# Altium PCB SONDE_2.PcbDoc (part 6 of 10) (continued)
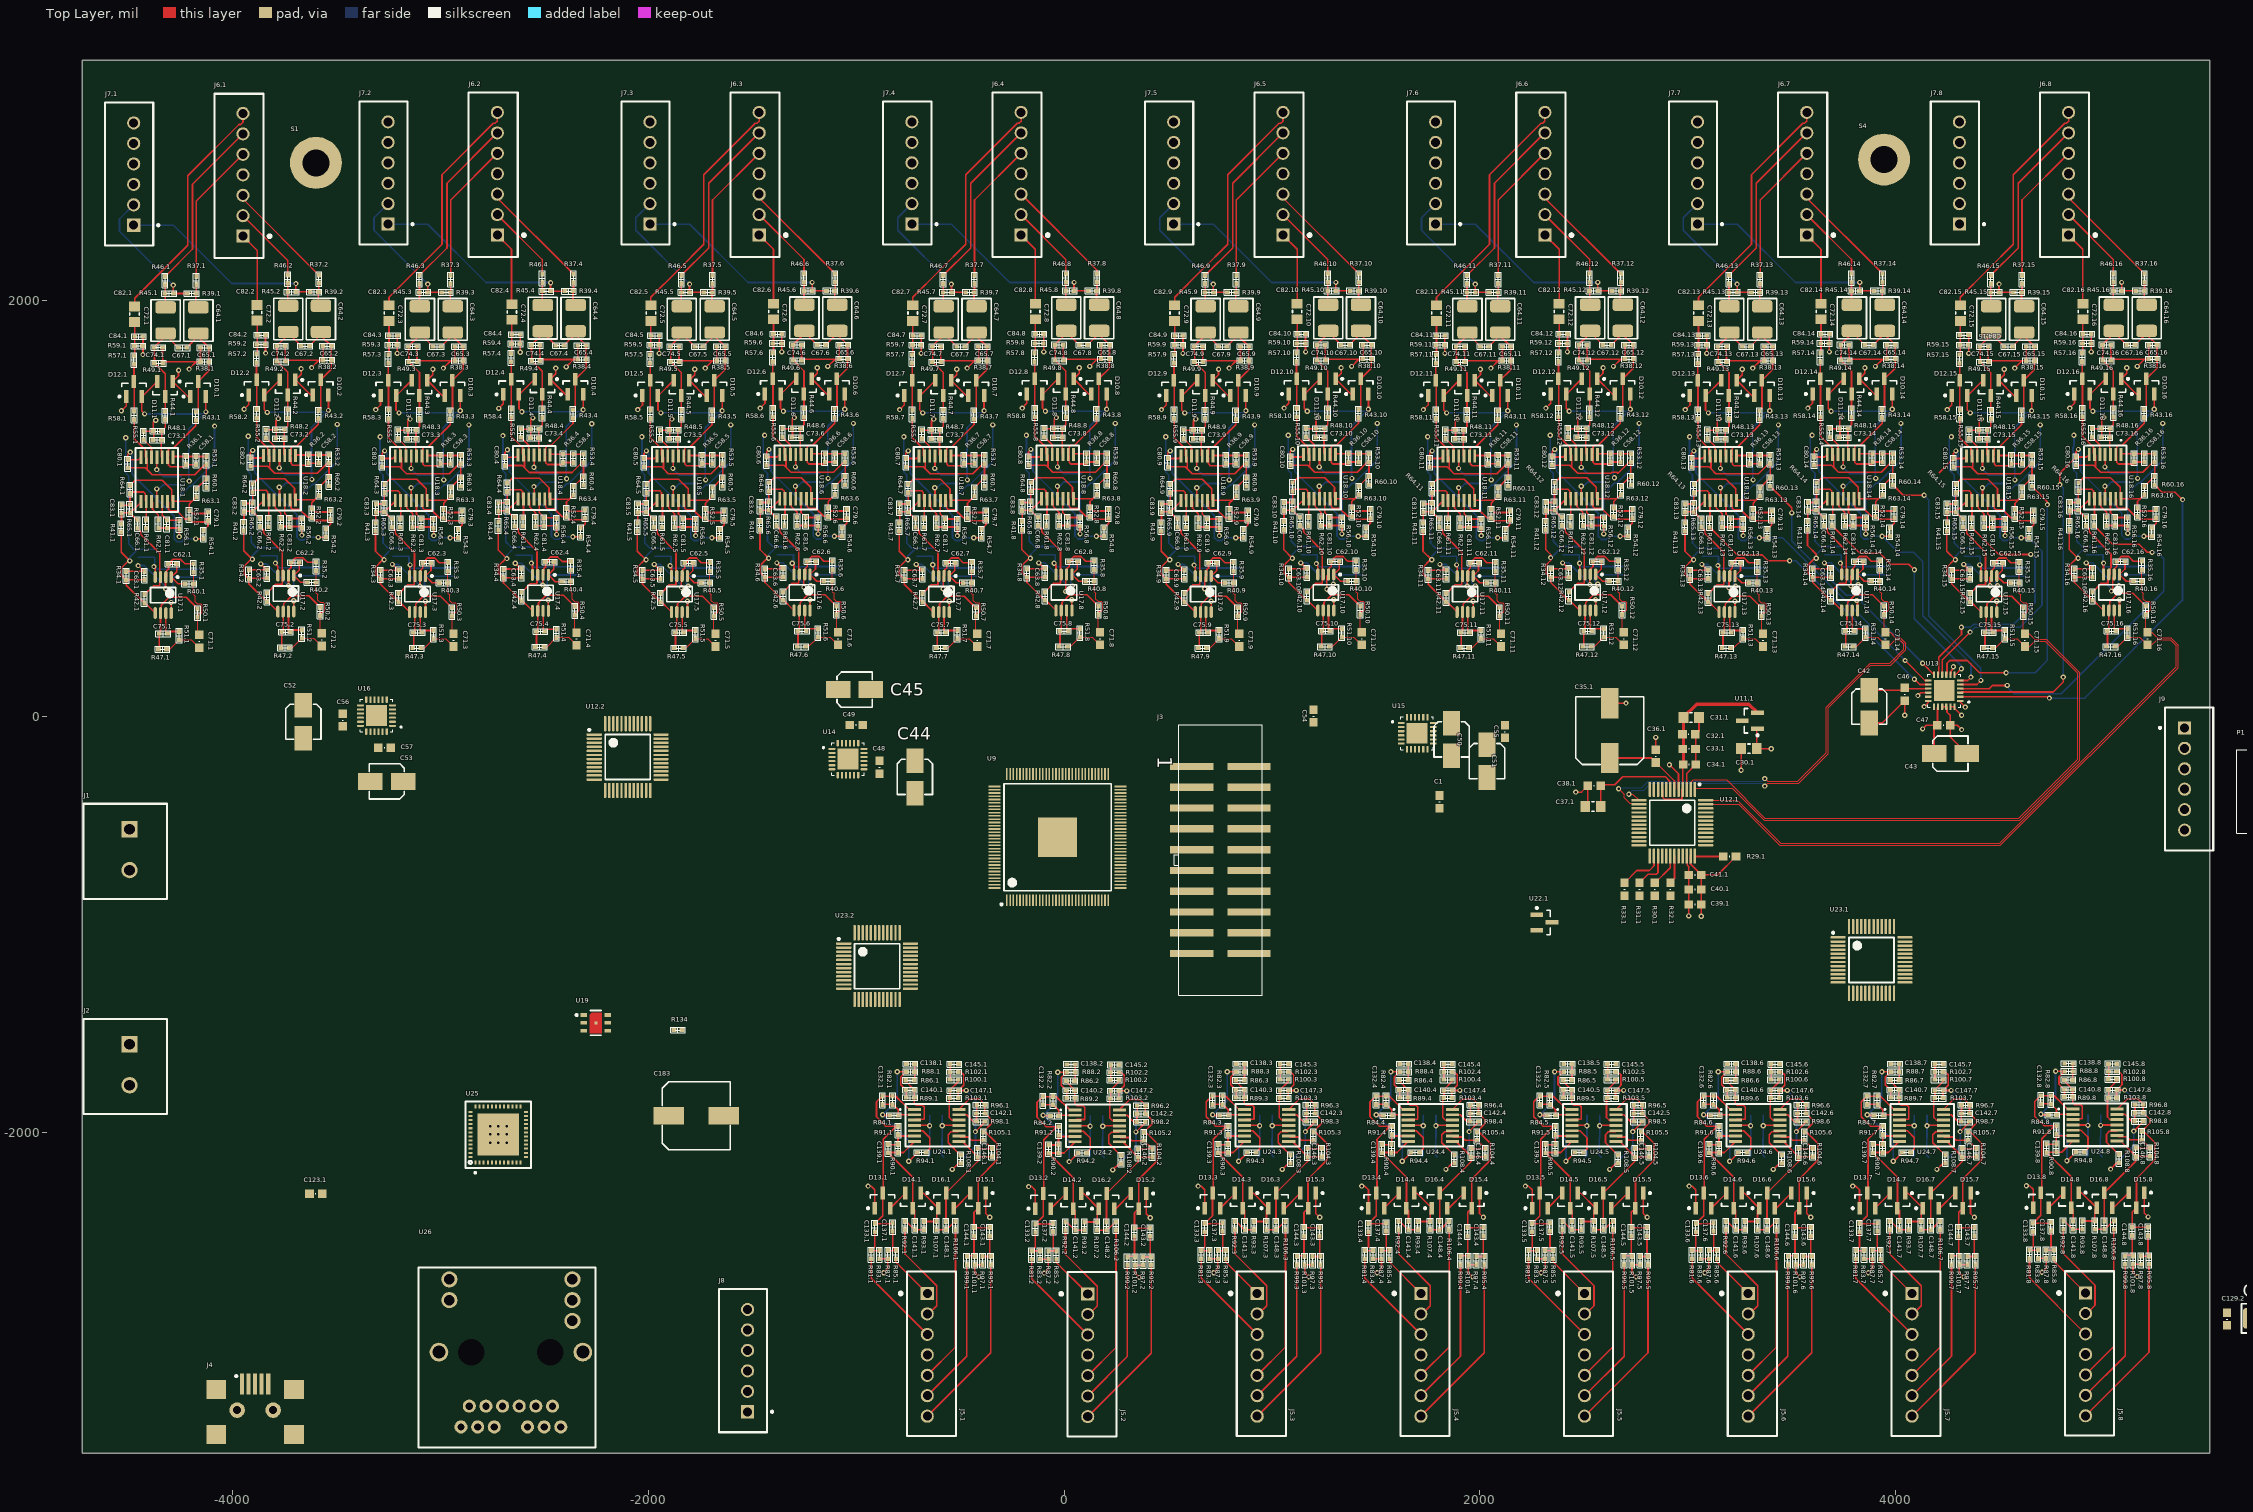
[diagram p0: Top Layer view]
## Nets (pads, with @x,y where several pads share a name; then routed paths per layer and width w, separated by ;. In a path a pad name is that pad's centre, name@x,y a point inside that pad or via, vN(x,y) a via of type N, cw(c..) or ccw(c..) an arc to the next point about the centre after c; other vN are vias at no path point) (continued)
  Bottom Layer w8: C76.1.2@-4453.02,766.23 C78.1.2@-4375,766.23 -4375,719.91 v1@-4377.09,722 ; v1(-4379,722) v1@-4377.09,722 ; v1(-4365.55,1095.72) -4354.87,1095.72 C61.1.2@-4334.55,1116.03 C60.1.2@-4290.55,1116.03 C59.1.2@-4247.55,1116.03 ; C70.1.2@-4301,708.66 -4363.75,708.66 v1@-4377.09,722 ; C70.1.2@-4300.06,709.6 C68.1.2@-4229,709.6 C69.1.2@-4154,709.6 ; C76.2.2@-3863.35,773.7 C78.2.2@-3785.33,773.7 -3785.33,727.39 v1@-3794,736.06 ; v1(-3794,739) v1@-3794,736.06 ; v1(-3775.88,1103.2) -3765.2,1103.2 C61.2.2@-3744.88,1123.51 C60.2.2@-3700.88,1123.51 C59.2.2@-3657.88,1123.51 ; C70.2.2@-3711.33,716.14 -3774.08,716.14 v1@-3794,736.06 ; C70.2.2@-3710.39,717.07 C68.2.2@-3639.33,717.07 C69.2.2@-3564.33,717.07 ; C76.3.2@-3229.44,771.36 C78.3.2@-3151.42,771.36 -3151.42,725.05 -3146.86,729.61 v1(-3146.86,730) -3146.86,720.49 -3140.17,713.8 C70.3.2@-3077.42,713.8 ; v1(-3141.97,1100.86) -3131.29,1100.86 C61.3.2@-3110.97,1121.17 C60.3.2@-3066.97,1121.17 C59.3.2@-3023.97,1121.17 ; C70.3.2@-3076.48,714.73 C68.3.2@-3005.42,714.73 C69.3.2@-2930.42,714.73 ; C76.4.2@-2638.41,776.95 C78.4.2@-2560.39,776.95 -2560.39,730.64 v1@-2563,733.25 ; v1(-2563,738.86) v1@-2563,733.25 ; v1(-2550.94,1106.45) -2540.26,1106.45 C61.4.2@-2519.94,1126.76 C60.4.2@-2475.94,1126.76 C59.4.2@-2432.94,1126.76 ; C70.4.2@-2486.39,719.39 -2549.13,719.39 v1@-2563,733.25 ; C70.4.2@-2485.45,720.33 C68.4.2@-2414.39,720.33 C69.4.2@-2339.39,720.33 ; C76.5.2@-1969.6,771.36 C78.5.2@-1891.58,771.36 -1891.58,725.05 v1@-1892.15,725.62 ; v1(-1896,725.62) v1@-1892.15,725.62 ; v1(-1882.13,1100.86) -1871.44,1100.86 C61.5.2@-1851.13,1121.17 C60.5.2@-1807.13,1121.17 C59.5.2@-1764.13,1121.17 ; C70.5.2@-1817.58,713.8 -1880.32,713.8 v1@-1892.15,725.62 ; C70.5.2@-1816.64,714.73 C68.5.2@-1745.58,714.73 C69.5.2@-1670.58,714.73 ; C76.6.2@-1379.93,778.84 C78.6.2@-1301.9,778.84 -1301.9,732.53 v1@-1307.18,737.8 ; v1(-1308,737.8) v1@-1307.18,737.8 ; v1(-1292.46,1108.33) -1281.77,1108.33 C61.6.2@-1261.46,1128.65 C60.6.2@-1217.46,1128.65 C59.6.2@-1174.46,1128.65 ; C70.6.2@-1227.9,721.27 -1290.65,721.27 v1@-1307.18,737.8 ; C70.6.2@-1226.97,722.21 C68.6.2@-1155.9,722.21 C69.6.2@-1080.9,722.21 ; C76.7.2@-709.76,771.36 C78.7.2@-631.73,771.36 -631.73,725.05 v1@-632.42,725.73 ; v1(-632.42,731) v1@-632.42,725.73 ; v1(-622.29,1100.86) -611.6,1100.86 C61.7.2@-591.29,1121.17 C60.7.2@-547.29,1121.17 C59.7.2@-504.29,1121.17 ; C136.1.1@-586.08,-1918.46 v1(-586.08,-1968.46) -586.08,-2026.97 C135.1.2@-587.57,-2028.46 -587.57,-2110.08 C134.1.2@-579.19,-2118.46 ; C70.7.2@-557.73,713.8 -620.48,713.8 v1@-632.42,725.73 ; C70.7.2@-556.8,714.73 C68.7.2@-485.73,714.73 C69.7.2@-410.73,714.73 ; C76.8.2@-120.09,778.84 C78.8.2@-42.06,778.84 -42.06,732.53 v1@-47.54,738 ; v1(-48.36,738) v1@-47.54,738 ; v1(-32.62,1108.33) -21.93,1108.33 C61.8.2@-1.62,1128.65 C60.8.2@42.38,1128.65 C59.8.2@85.38,1128.65 ; C70.8.2@31.94,721.27 -30.81,721.27 v1@-47.54,738 ; C70.8.2@32.88,722.21 C68.8.2@103.94,722.21 C69.8.2@178.94,722.21 ; C136.2.1@186,-1920.54 v1(186,-1970.54) 186,-2029.05 C135.2.2@184.51,-2030.54 184.51,-2112.16 C134.2.2@192.89,-2120.54 ; C76.9.2@550.08,771.36 C78.9.2@628.11,771.36 628.11,725.05 v1@625,728.16 ; v1(625,729) v1@625,728.16 ; v1(637.56,1100.86) 648.24,1100.86 C61.9.2@668.56,1121.17 C60.9.2@712.56,1121.17 C59.9.2@755.56,1121.17 ; C70.9.2@702.11,713.8 639.36,713.8 v1@625,728.16 ; C70.9.2@703.05,714.73 C68.9.2@774.11,714.73 C69.9.2@849.11,714.73 ; C136.3.1@1001.18,-1918.46 v1(1001.18,-1968.46) 1001.18,-2026.97 C135.3.2@999.69,-2028.46 999.69,-2110.08 C134.3.2@1008.07,-2118.46 ; C76.10.2@1139.76,778.84 C78.10.2@1217.78,778.84 1217.78,732.53 v1@1214.31,736 ; v1(1213.48,736) v1@1214.31,736 ; v1(1227.23,1108.33) 1237.91,1108.33 C61.10.2@1258.23,1128.65 C60.10.2@1302.23,1128.65 C59.10.2@1345.23,1128.65 ; C70.10.2@1291.78,721.27 1229.03,721.27 v1@1214.31,736 ; C70.10.2@1292.72,722.21 C68.10.2@1363.78,722.21 C69.10.2@1438.78,722.21 ; C136.4.1@1788.58,-1918.46 v1(1788.58,-1968.46) 1788.58,-2026.97 C135.4.2@1787.09,-2028.46 1787.09,-2110.08 C134.4.2@1795.47,-2118.46 ; C76.11.2@1809.93,771.36 C78.11.2@1887.95,771.36 1887.95,725.05 1888,725.1 v1(1888,729.53) 1888,725 1899.2,713.8 C70.11.2@1961.95,713.8 ; v1(1897.4,1100.86) 1908.08,1100.86 C61.11.2@1928.4,1121.17 C60.11.2@1972.4,1121.17 C59.11.2@2015.4,1121.17 ; C70.11.2@1962.89,714.73 C68.11.2@2033.95,714.73 C69.11.2@2108.95,714.73 ; C76.12.2@2399.6,778.84 C78.12.2@2477.62,778.84 2477.62,732.53 2479.33,734.23 v1(2479.33,737.64) 2479.33,730.82 2488.88,721.27 C70.12.2@2551.62,721.27 ; v1(2487.07,1108.33) 2497.75,1108.33 C61.12.2@2518.07,1128.65 C60.12.2@2562.07,1128.65 C59.12.2@2605.07,1128.65 ; C70.12.2@2552.56,722.21 C68.12.2@2623.62,722.21 C69.12.2@2698.62,722.21 ; C136.5.1@2575.98,-1918.46 v1(2575.98,-1968.46) 2575.98,-2026.97 C135.5.2@2574.49,-2028.46 2574.49,-2110.08 C134.5.2@2582.87,-2118.46 ; C76.13.2@3069.77,771.36 C78.13.2@3147.79,771.36 3147.79,725.05 v1@3145.84,727 ; v1(3145.02,727) v1@3145.84,727 ; v1(3157.24,1100.86) 3167.92,1100.86 C61.13.2@3188.24,1121.17 C60.13.2@3232.24,1121.17 C59.13.2@3275.24,1121.17 ; C70.13.2@3221.79,713.8 3159.05,713.8 v1@3145.84,727 ; C70.13.2@3222.73,714.73 C68.13.2@3293.79,714.73 C69.13.2@3368.79,714.73 ; C136.6.1@3363.38,-1918.46 v1(3363.38,-1968.46) 3363.38,-2026.97 C135.6.2@3361.89,-2028.46 3361.89,-2110.08 C134.6.2@3370.27,-2118.46 ; C76.14.2@3659.44,778.84 C78.14.2@3737.47,778.84 3737.47,732.53 v1@3734,735.99 ; v1(3734,739) v1@3734,735.99 ; v1(3746.91,1108.33) 3757.6,1108.33 C61.14.2@3777.91,1128.65 C60.14.2@3821.91,1128.65 C59.14.2@3864.91,1128.65 ; C70.14.2@3811.47,721.27 3748.72,721.27 v1@3734,735.99 ; C70.14.2@3812.4,722.21 C68.14.2@3883.47,722.21 C69.14.2@3958.47,722.21 ; C136.7.1@4150.79,-1918.46 v1(4150.79,-1968.46) 4150.79,-2026.97 C135.7.2@4149.29,-2028.46 4149.29,-2110.08 C134.7.2@4157.67,-2118.46 ; C76.15.2@4329.61,771.36 C78.15.2@4407.64,771.36 4407.64,725.05 v1@4405,727.69 ; v1(4405,729.53) v1@4405,727.69 ; v1(4417.08,1100.86) 4427.77,1100.86 C61.15.2@4448.08,1121.17 C60.15.2@4492.08,1121.17 C59.15.2@4535.08,1121.17 ; C70.15.2@4481.64,713.8 4418.89,713.8 v1@4405,727.69 ; C70.15.2@4482.57,714.73 C68.15.2@4553.64,714.73 C69.15.2@4628.64,714.73 ; C76.16.2@4919.28,778.84 C78.16.2@4997.31,778.84 4997.31,732.53 5000,735.22 v1(5000,739) 5000,729.83 5008.56,721.27 C70.16.2@5071.31,721.27 ; C136.8.1@4986,-1916.38 v1(4986,-1966.38) 4986,-2024.89 C135.8.2@4984.51,-2026.38 4984.51,-2108 C134.8.2@4992.89,-2116.38 ; v1(5006.75,1108.33) 5017.44,1108.33 C61.16.2@5037.75,1128.65 C60.16.2@5081.75,1128.65 C59.16.2@5124.75,1128.65 ; C70.16.2@5072.25,722.21 C68.16.2@5143.31,722.21 C69.16.2@5218.31,722.21
  other v1: -2761.31,-2049.52 -2721.94,-2049.52 -2682.57,-2049.52 -2761.31,-2010.15 -2721.94,-2010.15 -2682.57,-2010.15 -2761.31,-1970.78 -2721.94,-1970.78 -2682.57,-1970.78 3401.98,-154.37
I2C_SCL: P1.3 R21.2 TP1.1 TP1.2 U1.9 U9.37 U12.1.39 U12.2.39 U13.17 U14.17 U15.17 U16.17 U23.1.15 U23.2.15
I2C_SDA: P1.4 R20.2 TP2.1 TP2.2 U1.10 U9.38 U12.1.40 U12.2.40 U13.19 U14.19 U15.19 U16.19 U23.1.16 U23.2.16
IN1_N: C71.16.2 R47.16.2 R51.16.2 U12.1.48 | length 3156.1
  Top Layer w4: U12.1.48@3086.39,-402.13 3238.37,-402.13 3446.24,-610 4500.23,-610 5350,239.77 5350,340.83 5320,370.83 5258.98,370.83 5232.97,344.82 C71.16.2@5211.28,344.82 5173.46,382.65 R51.16.2@5115.28,382.65 5069.27,336.63 R47.16.2@5054.58,336.63
IN1_P: C71.16.1 R35.16.2 R40.16.2 R50.16.2 U12.1.47 | length 3349.3
  Top Layer w4: U12.1.47@3086.39,-421.81 3245.32,-421.81 3442.51,-619 4503.96,-619 5359,236.04 5359,344.56 5323.73,379.83 5258.98,379.83 5232.97,405.84 C71.16.1@5211.28,405.84 5204.14,412.99 R50.16.2@5204.14,491.66 5210.34,497.86 5200.99,507.22 5218.95,507.22 5225.98,514.25 5225.98,547.81 5218.95,554.84 5202.96,554.84 5192.13,565.67 5192.13,592.71 5182.97,601.87 R40.16.2@5182.97,651.33 ; R40.16.2@5180.28,654.02 5184.28,658.02 R35.16.2@5184.28,708.65
IN2_N: C71.15.2 R47.15.2 R51.15.2 U12.1.2 | length 3011.9
  Top Layer w4: U12.1.2@3019.32,-335.91 3019.32,-311.55 3026.32,-304.54 3186.67,-304.54 3371.13,-489 4592.94,-489 4875.75,-206.19 4875.75,207.6 4720,363.36 4669.31,363.36 4643.3,337.34 C71.15.2@4621.61,337.34 4583.78,375.17 R51.15.2@4525.61,375.17 4479.6,329.16 R47.15.2@4464.91,329.16
IN2_P: C71.15.1 R35.15.2 R40.15.2 R50.15.2 U12.1.1 | length 3159.2
  Top Layer w4: U12.1.1@3029.44,-344.91 3214.3,-344.91 3367.4,-498 4596.67,-498 4884.75,-209.92 4884.75,211.33 4723.73,372.36 4669.31,372.36 4643.3,398.37 C71.15.1@4621.61,398.37 4614.47,405.51 R50.15.2@4614.47,484.18 4620.67,490.39 4611.32,499.74 4629.28,499.74 4636.31,506.77 4636.31,540.33 4629.28,547.36 4613.29,547.36 4602.45,558.2 4602.45,585.23 4593.3,594.39 R40.15.2@4593.3,643.86 ; R40.15.2@4590.61,646.54 4594.61,650.54 R35.15.2@4594.61,701.17
IN3_N: C71.14.2 R47.14.2 R51.14.2 U12.1.14 | length 2253.6
  Top Layer w4: v1(2667,-347) 2694.5,-374.5 2694.5,-391.43 2720.11,-417.03 2760.74,-417.03 U12.1.14@2765.52,-421.81 ; v1(3370.27,-298.14) 3383.77,-311.64 3529.07,-311.64 3666.03,-174.68 3666.03,45.28 3877.43,256.68 3972.15,256.68 4040,324.53 4040,349.62 4018.78,370.83 3999.14,370.83 3973.13,344.82 C71.14.2@3951.44,344.82 3913.61,382.65 R51.14.2@3855.44,382.65 3809.42,336.63 R47.14.2@3794.74,336.63
  Bottom Layer w4: v1@2667,-343 2778.27,-343 2809.63,-311.64 3356.77,-311.64 v1(3370.27,-298.14)
IN3_P: C71.14.1 R35.14.2 R40.14.2 R50.14.2 U12.1.13 | length 2331.1
  Top Layer w4: v1(2717,-373) 2736.4,-373 U12.1.13@2765.52,-402.13 ; v1(3370.27,-334.14) 3383.77,-320.64 3532.8,-320.64 3675.03,-178.41 3675.03,41.55 3881.16,247.68 3975.88,247.68 4049,320.81 4049,353.34 4022.51,379.83 3999.14,379.83 3973.13,405.84 C71.14.1@3951.44,405.84 3944.3,412.99 R50.14.2@3944.3,491.66 3950.5,497.86 3941.15,507.22 3959.11,507.22 3966.14,514.25 3966.14,547.81 3959.11,554.84 3943.12,554.84 3932.28,565.67 3932.28,592.71 3923.13,601.87 R40.14.2@3923.13,651.33 ; R40.14.2@3920.44,654.02 3924.44,658.02 R35.14.2@3924.44,708.65
  Bottom Layer w4: v1(2717,-373) 2736,-354 2789,-354 2822.36,-320.64 3356.77,-320.64 v1(3370.27,-334.14)
IN4_N: C71.13.2 R47.13.2 R51.13.2 U12.1.12 | length 191.4
  Top Layer w4: R47.13.2@3205.06,329.16 3219.75,329.16 R51.13.2@3265.77,375.17 3323.94,375.17 C71.13.2@3361.77,337.34
IN4_P: C71.13.1 R35.13.2 R40.13.2 R50.13.2 U12.1.11 | length 359.2
  Top Layer w4: R40.13.2@3330.77,646.54 3334.77,650.54 R35.13.2@3334.77,701.17 ; R40.13.2@3333.45,643.86 3333.45,594.39 3342.61,585.23 3342.61,558.2 3353.44,547.36 3369.44,547.36 3376.47,540.33 3376.47,506.77 3369.44,499.74 3351.47,499.74 3360.83,490.39 R50.13.2@3354.63,484.18 3354.63,405.51 C71.13.1@3361.77,398.37
IN5_N: C71.12.2 R47.12.2 R51.12.2 U12.1.46 | length 191.4
  Top Layer w4: R47.12.2@2534.89,336.63 2549.58,336.63 R51.12.2@2595.6,382.65 2653.77,382.65 C71.12.2@2691.6,344.82
IN5_P: C71.12.1 R35.12.2 R40.12.2 R50.12.2 U12.1.45 | length 359.2
  Top Layer w4: R40.12.2@2660.6,654.02 2664.6,658.02 R35.12.2@2664.6,708.65 ; R40.12.2@2663.28,651.33 2663.28,601.87 2672.44,592.71 2672.44,565.67 2683.27,554.84 2699.27,554.84 2706.3,547.81 2706.3,514.25 2699.27,507.22 2681.3,507.22 2690.66,497.86 R50.12.2@2684.46,491.66 2684.46,412.99 C71.12.1@2691.6,405.84
IN6_N: C71.11.2 R47.11.2 R51.11.2 U12.1.44 | length 191.4
  Top Layer w4: R47.11.2@1945.22,329.16 1959.91,329.16 R51.11.2@2005.93,375.17 2064.1,375.17 C71.11.2@2101.93,337.34
IN6_P: C71.11.1 R35.11.2 R40.11.2 R50.11.2 U12.1.43 | length 359.2
  Top Layer w4: R40.11.2@2070.93,646.54 2074.93,650.54 R35.11.2@2074.93,701.17 ; R40.11.2@2073.61,643.86 2073.61,594.39 2082.77,585.23 2082.77,558.2 2093.6,547.36 2109.6,547.36 2116.63,540.33 2116.63,506.77 2109.6,499.74 2091.63,499.74 2100.99,490.39 R50.11.2@2094.78,484.18 2094.78,405.51 C71.11.1@2101.93,398.37
IN7_N: C71.10.2 R47.10.2 R51.10.2 U12.1.16 | length 191.4
  Top Layer w4: R47.10.2@1275.05,336.63 1289.74,336.63 R51.10.2@1335.76,382.65 1393.93,382.65 C71.10.2@1431.76,344.82
IN7_P: C71.10.1 R35.10.2 R40.10.2 R50.10.2 U12.1.15 | length 359.2
  Top Layer w4: R40.10.2@1400.76,654.02 1404.76,658.02 R35.10.2@1404.76,708.65 ; R40.10.2@1403.44,651.33 1403.44,601.87 1412.6,592.71 1412.6,565.67 1423.43,554.84 1439.43,554.84 1446.46,547.81 1446.46,514.25 1439.43,507.22 1421.46,507.22 1430.82,497.86 R50.10.2@1424.61,491.66 1424.61,412.99 C71.10.1@1431.76,405.84
IN8_N: C71.9.2 R47.9.2 R51.9.2 U12.1.18 | length 191.4
  Top Layer w4: R47.9.2@685.38,329.16 700.07,329.16 R51.9.2@746.08,375.17 804.26,375.17 C71.9.2@842.08,337.34
IN8_P: C71.9.1 R35.9.2 R40.9.2 R50.9.2 U12.1.17 | length 359.2
  Top Layer w4: R40.9.2@811.08,646.54 815.08,650.54 R35.9.2@815.08,701.17 ; R40.9.2@813.77,643.86 813.77,594.39 822.93,585.23 822.93,558.2 833.76,547.36 849.76,547.36 856.78,540.33 856.78,506.77 849.76,499.74 831.79,499.74 841.15,490.39 R50.9.2@834.94,484.18 834.94,405.51 C71.9.1@842.08,398.37
IN9_N: C71.8.2 R47.8.2 R51.8.2 U12.2.48 | length 191.4
  Top Layer w4: R47.8.2@15.21,336.63 29.9,336.63 R51.8.2@75.91,382.65 134.09,382.65 C71.8.2@171.91,344.82
IN9_P: C71.8.1 R35.8.2 R40.8.2 R50.8.2 U12.2.47 | length 359.2
  Top Layer w4: R40.8.2@140.91,654.02 144.91,658.02 R35.8.2@144.91,708.65 ; R40.8.2@143.6,651.33 143.6,601.87 152.76,592.71 152.76,565.67 163.59,554.84 179.58,554.84 186.61,547.81 186.61,514.25 179.58,507.22 161.62,507.22 170.97,497.86 R50.8.2@164.77,491.66 164.77,412.99 C71.8.1@171.91,405.84
IN10_N: C71.7.2 R47.7.2 R51.7.2 U12.2.2 | length 191.4
  Top Layer w4: R47.7.2@-574.46,329.16 -559.77,329.16 R51.7.2@-513.76,375.17 -455.59,375.17 C71.7.2@-417.76,337.34
IN10_P: C71.7.1 R35.7.2 R40.7.2 R50.7.2 U12.2.1 | length 359.2
  Top Layer w4: R40.7.2@-448.76,646.54 -444.76,650.54 R35.7.2@-444.76,701.17 ; R40.7.2@-446.07,643.86 -446.07,594.39 -436.92,585.23 -436.92,558.2 -426.08,547.36 -410.09,547.36 -403.06,540.33 -403.06,506.77 -410.09,499.74 -428.05,499.74 -418.7,490.39 R50.7.2@-424.9,484.18 -424.9,405.51 C71.7.1@-417.76,398.37
IN11_N: C71.6.2 R47.6.2 R51.6.2 U12.2.14 | length 191.4
  Top Layer w4: R47.6.2@-1244.63,336.63 -1229.94,336.63 R51.6.2@-1183.93,382.65 -1125.76,382.65 C71.6.2@-1087.93,344.82
IN11_P: C71.6.1 R35.6.2 R40.6.2 R50.6.2 U12.2.13 | length 359.2
  Top Layer w4: R40.6.2@-1118.93,654.02 -1114.93,658.02 R35.6.2@-1114.93,708.65 ; R40.6.2@-1116.24,651.33 -1116.24,601.87 -1107.09,592.71 -1107.09,565.67 -1096.25,554.84 -1080.26,554.84 -1073.23,547.81 -1073.23,514.25 -1080.26,507.22 -1098.22,507.22 -1088.87,497.86 R50.6.2@-1095.07,491.66 -1095.07,412.99 C71.6.1@-1087.93,405.84
IN12_N: C71.5.2 R47.5.2 R51.5.2 U12.2.12 | length 191.4
  Top Layer w4: R47.5.2@-1834.31,329.16 -1819.62,329.16 R51.5.2@-1773.6,375.17 -1715.43,375.17 C71.5.2@-1677.6,337.34
IN12_P: C71.5.1 R35.5.2 R40.5.2 R50.5.2 U12.2.11 | length 359.2
  Top Layer w4: R40.5.2@-1708.6,646.54 -1704.6,650.54 R35.5.2@-1704.6,701.17 ; R40.5.2@-1705.92,643.86 -1705.92,594.39 -1696.76,585.23 -1696.76,558.2 -1685.93,547.36 -1669.93,547.36 -1662.9,540.33 -1662.9,506.77 -1669.93,499.74 -1687.9,499.74 -1678.54,490.39 R50.5.2@-1684.74,484.18 -1684.74,405.51 C71.5.1@-1677.6,398.37
IN13_N: C71.4.2 R47.4.2 R51.4.2 U12.2.46 | length 191.4
  Top Layer w4: R47.4.2@-2503.12,334.75 -2488.43,334.75 R51.4.2@-2442.41,380.76 -2384.24,380.76 C71.4.2@-2346.41,342.93
IN13_P: C71.4.1 R35.4.2 R40.4.2 R50.4.2 U12.2.45 | length 359.2
  Top Layer w4: R40.4.2@-2377.41,652.13 -2373.41,656.13 R35.4.2@-2373.41,706.76 ; R40.4.2@-2374.73,649.45 -2374.73,599.98 -2365.57,590.82 -2365.57,563.79 -2354.74,552.95 -2338.74,552.95 -2331.71,545.93 -2331.71,512.36 -2338.74,505.33 -2356.71,505.33 -2347.35,495.98 R50.4.2@-2353.55,489.77 -2353.55,411.1 C71.4.1@-2346.41,403.96
IN14_N: C71.3.2 R47.3.2 R51.3.2 U12.2.44 | length 191.4
  Top Layer w4: R47.3.2@-3094.15,329.16 -3079.46,329.16 R51.3.2@-3033.44,375.17 -2975.27,375.17 C71.3.2@-2937.44,337.34
IN14_P: C71.3.1 R35.3.2 R40.3.2 R50.3.2 U12.2.43 | length 359.2
  Top Layer w4: R40.3.2@-2968.44,646.54 -2964.44,650.54 R35.3.2@-2964.44,701.17 ; R40.3.2@-2965.76,643.86 -2965.76,594.39 -2956.6,585.23 -2956.6,558.2 -2945.77,547.36 -2929.77,547.36 -2922.74,540.33 -2922.74,506.77 -2929.77,499.74 -2947.74,499.74 -2938.38,490.39 R50.3.2@-2944.59,484.18 -2944.59,405.51 C71.3.1@-2937.44,398.37
IN15_N: C71.2.2 R47.2.2 R51.2.2 U12.2.16 | length 191.4
  Top Layer w4: R47.2.2@-3728.06,331.49 -3713.37,331.49 R51.2.2@-3667.35,377.51 -3609.18,377.51 C71.2.2@-3571.35,339.68
IN15_P: C71.2.1 R35.2.2 R40.2.2 R50.2.2 U12.2.15 | length 359.2
  Top Layer w4: R40.2.2@-3602.35,648.88 -3598.35,652.88 R35.2.2@-3598.35,703.51 ; R40.2.2@-3599.67,646.2 -3599.67,596.73 -3590.51,587.57 -3590.51,560.54 -3579.68,549.7 -3563.68,549.7 -3556.65,542.67 -3556.65,509.11 -3563.68,502.08 -3581.65,502.08 -3572.29,492.72 R50.2.2@-3578.5,486.52 -3578.5,407.85 C71.2.1@-3571.35,400.71
IN16_N: C71.1.2 R47.1.2 R51.1.2 U12.2.18 | length 191.4
  Top Layer w4: R47.1.2@-4317.73,324.02 -4303.04,324.02 R51.1.2@-4257.03,370.03 -4198.85,370.03 C71.1.2@-4161.03,332.21
IN16_P: C71.1.1 R35.1.2 R40.1.2 R50.1.2 U12.2.17 | length 359.2
  Top Layer w4: R40.1.2@-4192.03,641.4 -4188.03,645.4 R35.1.2@-4188.03,696.03 ; R40.1.2@-4189.34,638.72 -4189.34,589.25 -4180.18,580.1 -4180.18,553.06 -4169.35,542.23 -4153.35,542.23 -4146.32,535.2 -4146.32,501.63 -4153.35,494.6 -4171.32,494.6 -4161.96,485.25 R50.1.2@-4168.17,479.05 -4168.17,400.37 C71.1.1@-4161.03,393.23
INT_N: R113.1 U9.15 U25.38
JACKA.1: J5.1.3 R81.1.1 | length 475.1
  Top Layer w8: R81.1.1@-928.08,-2608.15 -928.08,-2702.12 J5.1.3@-658.59,-2971.61
JACKA.2: J5.2.3 R81.2.1 | length 475.1
  Top Layer w8: R81.2.1@-156,-2610.23 -156,-2704.21 J5.2.3@113.49,-2973.69
JACKA.3: J5.3.3 R81.3.1 | length 475.1
  Top Layer w8: R81.3.1@659.18,-2608.15 659.18,-2702.12 J5.3.3@928.66,-2971.61
JACKA.4: J5.4.3 R81.4.1 | length 475.1
  Top Layer w8: R81.4.1@1446.58,-2608.15 1446.58,-2702.12 J5.4.3@1716.06,-2971.61
JACKA.5: J5.5.3 R81.5.1 | length 475.1
  Top Layer w8: R81.5.1@2233.98,-2608.15 2233.98,-2702.12 J5.5.3@2503.46,-2971.61
JACKA.6: J5.6.3 R81.6.1 | length 475.1
  Top Layer w8: R81.6.1@3021.38,-2608.15 3021.38,-2702.12 J5.6.3@3290.87,-2971.61
JACKA.7: J5.7.3 R81.7.1 | length 475.1
  Top Layer w8: R81.7.1@3808.78,-2608.15 3808.78,-2702.12 J5.7.3@4078.27,-2971.61
JACKA.8: J5.8.3 R81.8.1 | length 475.1
  Top Layer w8: R81.8.1@4644,-2606.06 4644,-2700.04 J5.8.3@4913.49,-2969.53
JACKB.1: J5.1.7 R95.1.1 | length 855.2
  Top Layer w8: J5.1.7@-658.59,-3365.31 -353.31,-3060.02 R95.1.1@-353.31,-2636.55
JACKB.2: J5.2.7 R95.2.1 | length 855.2
  Top Layer w8: J5.2.7@113.49,-3367.39 418.77,-3062.11 R95.2.1@418.77,-2638.64
JACKB.3: J5.3.7 R95.3.1 | length 855.2
  Top Layer w8: J5.3.7@928.66,-3365.31 1233.95,-3060.02 R95.3.1@1233.95,-2636.55
JACKB.4: J5.4.7 R95.4.1 | length 855.2
  Top Layer w8: J5.4.7@1716.06,-3365.31 2021.35,-3060.02 R95.4.1@2021.35,-2636.55
JACKB.5: J5.5.7 R95.5.1 | length 855.2
  Top Layer w8: J5.5.7@2503.46,-3365.31 2808.75,-3060.02 R95.5.1@2808.75,-2636.55
JACKB.6: J5.6.7 R95.6.1 | length 855.2
  Top Layer w8: J5.6.7@3290.87,-3365.31 3596.15,-3060.02 R95.6.1@3596.15,-2636.55
JACKB.7: J5.7.7 R95.7.1 | length 855.2
  Top Layer w8: J5.7.7@4078.27,-3365.31 4383.55,-3060.02 R95.7.1@4383.55,-2636.55
JACKB.8: J5.8.7 R95.8.1 | length 855.2
  Top Layer w8: J5.8.7@4913.49,-3363.23 5218.77,-3057.94 R95.8.1@5218.77,-2634.47
LRCLK: R23.1 TP9.1 TP9.2 U12.1.24 U12.2.24
MCLK_AUDIO: R18.1 R19.2 R77.1.1 R77.2.1 TP7.1 TP7.2 U12.1.23 U12.2.23
MCLK_XCORE: R2.2 R18.2 U9.13 U9.63
NetC3_2: C3.2 U3.8
NetC4_1: C4.1 U3.1
NetC4_2: C4.2 L1.1 U3.3
NetC10_1: C10.1 C14.1 U3.6
NetC10_2: C10.2 R8.1
NetC15_-: C15.- C16.2 C17.2 D2.K D3.K D4.A U4.5
NetC25_1: C25.1 U8.7
NetC27_2: C27.2 U8.12
NetC28_1: C28.1 R15.2
NetC31.1_1: C31.1.1 C32.1.1 C33.1.1 C34.1.1 U11.1.2 U12.1.4 U12.1.9 U12.1.20 | length 934.5
  Top Layer w8: U12.1.9@2876.74,-349.96 2879.52,-349.96 2879.52,-389.2 2887.7,-397.38 2972.39,-397.38 2972.39,-349.96 U12.1.4@2975.17,-349.96 2975.17,-231.88 C34.1.1@2977.22,-229.83
  Top Layer w15.75: C34.1.1@2979.02,-228.04 C31.1.1@2979.02,-3.94 2979.02,-3.27 3042.28,60 3293.19,60 U11.1.2@3335.51,17.68
NetC31.2_1: C31.2.1 C32.2.1 C33.2.1 C34.2.1 U11.2.2 U12.2.4 U12.2.9 U12.2.20
NetC35.1_+: C35.1.+ C36.1.1 U12.1.6 | length 397.5
  Top Layer w8: C35.1.+@2624.71,-198.89 2825.43,-198.89 2935.8,-309.25 U12.1.6@2935.8,-349.96
NetC35.2_+: C35.2.+ C36.2.1 U12.2.6
NetC58.1_1: C58.1.1 R36.1.2 R43.1.2 U18.1.2 | length 437.1
  Top Layer w8: R43.1.2@-4181.87,1421.69 R43.1.2@-4177.2,1426.35 -4177.2,1399.04 -4282.79,1293.45 -4300.47,1293.45 -4308.67,1285.25 -4308.67,1252.66 U18.1.2@-4313.37,1247.96 -4308.67,1243.25 -4308.67,1210.66 -4300.47,1202.46 -4224.55,1202.46 R36.1.2@-4224.55,1212.03 C58.1.1@-4175.55,1212.03
NetC58.1_2: C58.1.2 R36.1.1 R53.1.2 U18.1.1 | length 162.7
  Top Layer w8: U18.1.1@-4287.78,1247.96 -4284.33,1251.4 R36.1.1@-4224.55,1251.4 C58.1.2@-4175.55,1251.4 R53.1.2@-4126.55,1251.4
NetC58.2_1: C58.2.1 R36.2.2 R43.2.2 U18.2.2 | length 437.1
  Top Layer w8: R43.2.2@-3592.19,1429.16 R43.2.2@-3587.53,1433.83 -3587.53,1406.52 -3693.12,1300.93 -3710.8,1300.93 -3719,1292.73 -3719,1260.13 U18.2.2@-3723.7,1255.43 -3719,1250.73 -3719,1218.14 -3710.8,1209.94 -3634.88,1209.94 R36.2.2@-3634.88,1219.51 C58.2.1@-3585.88,1219.51
NetC58.2_2: C58.2.2 R36.2.1 R53.2.2 U18.2.1 | length 162.7
  Top Layer w8: U18.2.1@-3698.11,1255.43 -3694.66,1258.88 R36.2.1@-3634.88,1258.88 C58.2.2@-3585.88,1258.88 R53.2.2@-3536.88,1258.88
NetC58.3_1: C58.3.1 R36.3.2 R43.3.2 U18.3.2 | length 437.1
  Top Layer w8: R43.3.2@-2958.28,1426.83 R43.3.2@-2953.62,1431.49 -2953.62,1404.18 -3059.21,1298.59 -3076.89,1298.59 -3085.09,1290.39 -3085.09,1257.79 U18.3.2@-3089.79,1253.09 -3085.09,1248.39 -3085.09,1215.8 -3076.89,1207.6 -3000.97,1207.6 R36.3.2@-3000.97,1217.17 C58.3.1@-2951.97,1217.17
NetC58.3_2: C58.3.2 R36.3.1 R53.3.2 U18.3.1 | length 162.7
  Top Layer w8: U18.3.1@-3064.2,1253.09 -3060.75,1256.54 R36.3.1@-3000.97,1256.54 C58.3.2@-2951.97,1256.54 R53.3.2@-2902.97,1256.54
NetC58.4_1: C58.4.1 R36.4.2 R43.4.2 U18.4.2 | length 437.1
  Top Layer w8: R43.4.2@-2367.25,1432.42 R43.4.2@-2362.59,1437.08 -2362.59,1409.77 -2468.18,1304.18 -2485.86,1304.18 -2494.06,1295.98 -2494.06,1263.38 U18.4.2@-2498.76,1258.68 -2494.06,1253.98 -2494.06,1221.39 -2485.86,1213.19 -2409.94,1213.19 R36.4.2@-2409.94,1222.76 C58.4.1@-2360.94,1222.76
NetC58.4_2: C58.4.2 R36.4.1 R53.4.2 U18.4.1 | length 162.7
  Top Layer w8: U18.4.1@-2473.17,1258.68 -2469.72,1262.13 R36.4.1@-2409.94,1262.13 C58.4.2@-2360.94,1262.13 R53.4.2@-2311.94,1262.13
NetC58.5_1: C58.5.1 R36.5.2 R43.5.2 U18.5.2 | length 437.1
  Top Layer w8: R43.5.2@-1698.44,1426.83 R43.5.2@-1693.78,1431.49 -1693.78,1404.18 -1799.37,1298.59 -1817.05,1298.59 -1825.25,1290.39 -1825.25,1257.79 U18.5.2@-1829.95,1253.09 -1825.25,1248.39 -1825.25,1215.8 -1817.05,1207.6 -1741.13,1207.6 R36.5.2@-1741.13,1217.17 C58.5.1@-1692.13,1217.17
NetC58.5_2: C58.5.2 R36.5.1 R53.5.2 U18.5.1 | length 162.7
  Top Layer w8: U18.5.1@-1804.36,1253.09 -1800.91,1256.54 R36.5.1@-1741.13,1256.54 C58.5.2@-1692.13,1256.54 R53.5.2@-1643.13,1256.54
NetC58.6_1: C58.6.1 R36.6.2 R43.6.2 U18.6.2 | length 437.1
  Top Layer w8: R43.6.2@-1108.77,1434.3 R43.6.2@-1104.11,1438.96 -1104.11,1411.65 -1209.7,1306.06 -1227.37,1306.06 -1235.58,1297.86 -1235.58,1265.27 U18.6.2@-1240.28,1260.57 -1235.58,1255.87 -1235.58,1223.27 -1227.37,1215.07 -1151.46,1215.07 R36.6.2@-1151.46,1224.65 C58.6.1@-1102.46,1224.65
NetC58.6_2: C58.6.2 R36.6.1 R53.6.2 U18.6.1 | length 162.7
  Top Layer w8: U18.6.1@-1214.69,1260.57 -1211.24,1264.02 R36.6.1@-1151.46,1264.02 C58.6.2@-1102.46,1264.02 R53.6.2@-1053.46,1264.02
NetC58.7_1: C58.7.1 R36.7.2 R43.7.2 U18.7.2 | length 437.1
  Top Layer w8: R43.7.2@-438.6,1426.83 R43.7.2@-433.94,1431.49 -433.94,1404.18 -539.53,1298.59 -557.2,1298.59 -565.41,1290.39 -565.41,1257.79 U18.7.2@-570.11,1253.09 -565.41,1248.39 -565.41,1215.8 -557.2,1207.6 -481.29,1207.6 R36.7.2@-481.29,1217.17 C58.7.1@-432.29,1217.17
NetC58.7_2: C58.7.2 R36.7.1 R53.7.2 U18.7.1 | length 162.7
  Top Layer w8: U18.7.1@-544.52,1253.09 -541.07,1256.54 R36.7.1@-481.29,1256.54 C58.7.2@-432.29,1256.54 R53.7.2@-383.29,1256.54
NetC58.8_1: C58.8.1 R36.8.2 R43.8.2 U18.8.2 | length 437.1
  Top Layer w8: R43.8.2@151.07,1434.3 R43.8.2@155.73,1438.96 155.73,1411.65 50.15,1306.06 32.47,1306.06 24.27,1297.86 24.27,1265.27 U18.8.2@19.57,1260.57 24.27,1255.87 24.27,1223.27 32.47,1215.07 108.38,1215.07 R36.8.2@108.38,1224.65 C58.8.1@157.38,1224.65
NetC58.8_2: C58.8.2 R36.8.1 R53.8.2 U18.8.1 | length 162.7
  Top Layer w8: U18.8.1@45.16,1260.57 48.61,1264.02 R36.8.1@108.38,1264.02 C58.8.2@157.38,1264.02 R53.8.2@206.38,1264.02
NetC58.9_1: C58.9.1 R36.9.2 R43.9.2 U18.9.2 | length 437.1
  Top Layer w8: R43.9.2@821.24,1426.83 R43.9.2@825.91,1431.49 825.91,1404.18 720.32,1298.59 702.64,1298.59 694.44,1290.39 694.44,1257.79 U18.9.2@689.74,1253.09 694.44,1248.39 694.44,1215.8 702.64,1207.6 778.56,1207.6 R36.9.2@778.56,1217.17 C58.9.1@827.56,1217.17
NetC58.9_2: C58.9.2 R36.9.1 R53.9.2 U18.9.1 | length 162.7
  Top Layer w8: U18.9.1@715.33,1253.09 718.78,1256.54 R36.9.1@778.56,1256.54 C58.9.2@827.56,1256.54 R53.9.2@876.56,1256.54
NetC58.10_1: C58.10.1 R36.10.2 R43.10.2 U18.10.2 | length 437.1
  Top Layer w8: R43.10.2@1410.92,1434.3 R43.10.2@1415.58,1438.96 1415.58,1411.65 1309.99,1306.06 1292.31,1306.06 1284.11,1297.86 1284.11,1265.27 U18.10.2@1279.41,1260.57 1284.11,1255.87 1284.11,1223.27 1292.31,1215.07 1368.23,1215.07 R36.10.2@1368.23,1224.65 C58.10.1@1417.23,1224.65
NetC58.10_2: C58.10.2 R36.10.1 R53.10.2 U18.10.1 | length 162.7
  Top Layer w8: U18.10.1@1305,1260.57 1308.45,1264.02 R36.10.1@1368.23,1264.02 C58.10.2@1417.23,1264.02 R53.10.2@1466.23,1264.02
NetC58.11_1: C58.11.1 R36.11.2 R43.11.2 U18.11.2 | length 437.1
  Top Layer w8: R43.11.2@2081.09,1426.83 R43.11.2@2085.75,1431.49 2085.75,1404.18 1980.16,1298.59 1962.48,1298.59 1954.28,1290.39 1954.28,1257.79 U18.11.2@1949.58,1253.09 1954.28,1248.39 1954.28,1215.8 1962.48,1207.6 2038.4,1207.6 R36.11.2@2038.4,1217.17 C58.11.1@2087.4,1217.17
NetC58.11_2: C58.11.2 R36.11.1 R53.11.2 U18.11.1 | length 162.7
  Top Layer w8: U18.11.1@1975.17,1253.09 1978.62,1256.54 R36.11.1@2038.4,1256.54 C58.11.2@2087.4,1256.54 R53.11.2@2136.4,1256.54
NetC58.12_1: C58.12.1 R36.12.2 R43.12.2 U18.12.2 | length 437.1
  Top Layer w8: R43.12.2@2670.76,1434.3 R43.12.2@2675.42,1438.96 2675.42,1411.65 2569.83,1306.06 2552.15,1306.06 2543.95,1297.86 2543.95,1265.27 U18.12.2@2539.25,1260.57 2543.95,1255.87 2543.95,1223.27 2552.15,1215.07 2628.07,1215.07 R36.12.2@2628.07,1224.65 C58.12.1@2677.07,1224.65
NetC58.12_2: C58.12.2 R36.12.1 R53.12.2 U18.12.1 | length 162.7
  Top Layer w8: U18.12.1@2564.84,1260.57 2568.29,1264.02 R36.12.1@2628.07,1264.02 C58.12.2@2677.07,1264.02 R53.12.2@2726.07,1264.02
NetC58.13_1: C58.13.1 R36.13.2 R43.13.2 U18.13.2 | length 437.1
  Top Layer w8: R43.13.2@3340.93,1426.83 R43.13.2@3345.59,1431.49 3345.59,1404.18 3240,1298.59 3222.32,1298.59 3214.12,1290.39 3214.12,1257.79 U18.13.2@3209.42,1253.09 3214.12,1248.39 3214.12,1215.8 3222.32,1207.6 3298.24,1207.6 R36.13.2@3298.24,1217.17 C58.13.1@3347.24,1217.17
NetC58.13_2: C58.13.2 R36.13.1 R53.13.2 U18.13.1 | length 162.7
  Top Layer w8: U18.13.1@3235.01,1253.09 3238.46,1256.54 R36.13.1@3298.24,1256.54 C58.13.2@3347.24,1256.54 R53.13.2@3396.24,1256.54
NetC58.14_1: C58.14.1 R36.14.2 R43.14.2 U18.14.2 | length 437.1
  Top Layer w8: R43.14.2@3930.6,1434.3 R43.14.2@3935.26,1438.96 3935.26,1411.65 3829.67,1306.06 3811.99,1306.06 3803.79,1297.86 3803.79,1265.27 U18.14.2@3799.09,1260.57 3803.79,1255.87 3803.79,1223.27 3811.99,1215.07 3887.91,1215.07 R36.14.2@3887.91,1224.65 C58.14.1@3936.91,1224.65